# Altium PCB ECU rev B pcb.PcbDoc (part 6 of 6)
Units mil, origin at the board's own origin, x right, y up, seen from the top; angles counter-clockwise.
Board outline 5590.55 x 4937.67 mil, 4 copper layers (Top Layer, GND, Power, Bottom Layer), stack 23.756 mil thick; 577 components, 350 nets, 1799 pads, 680 vias.
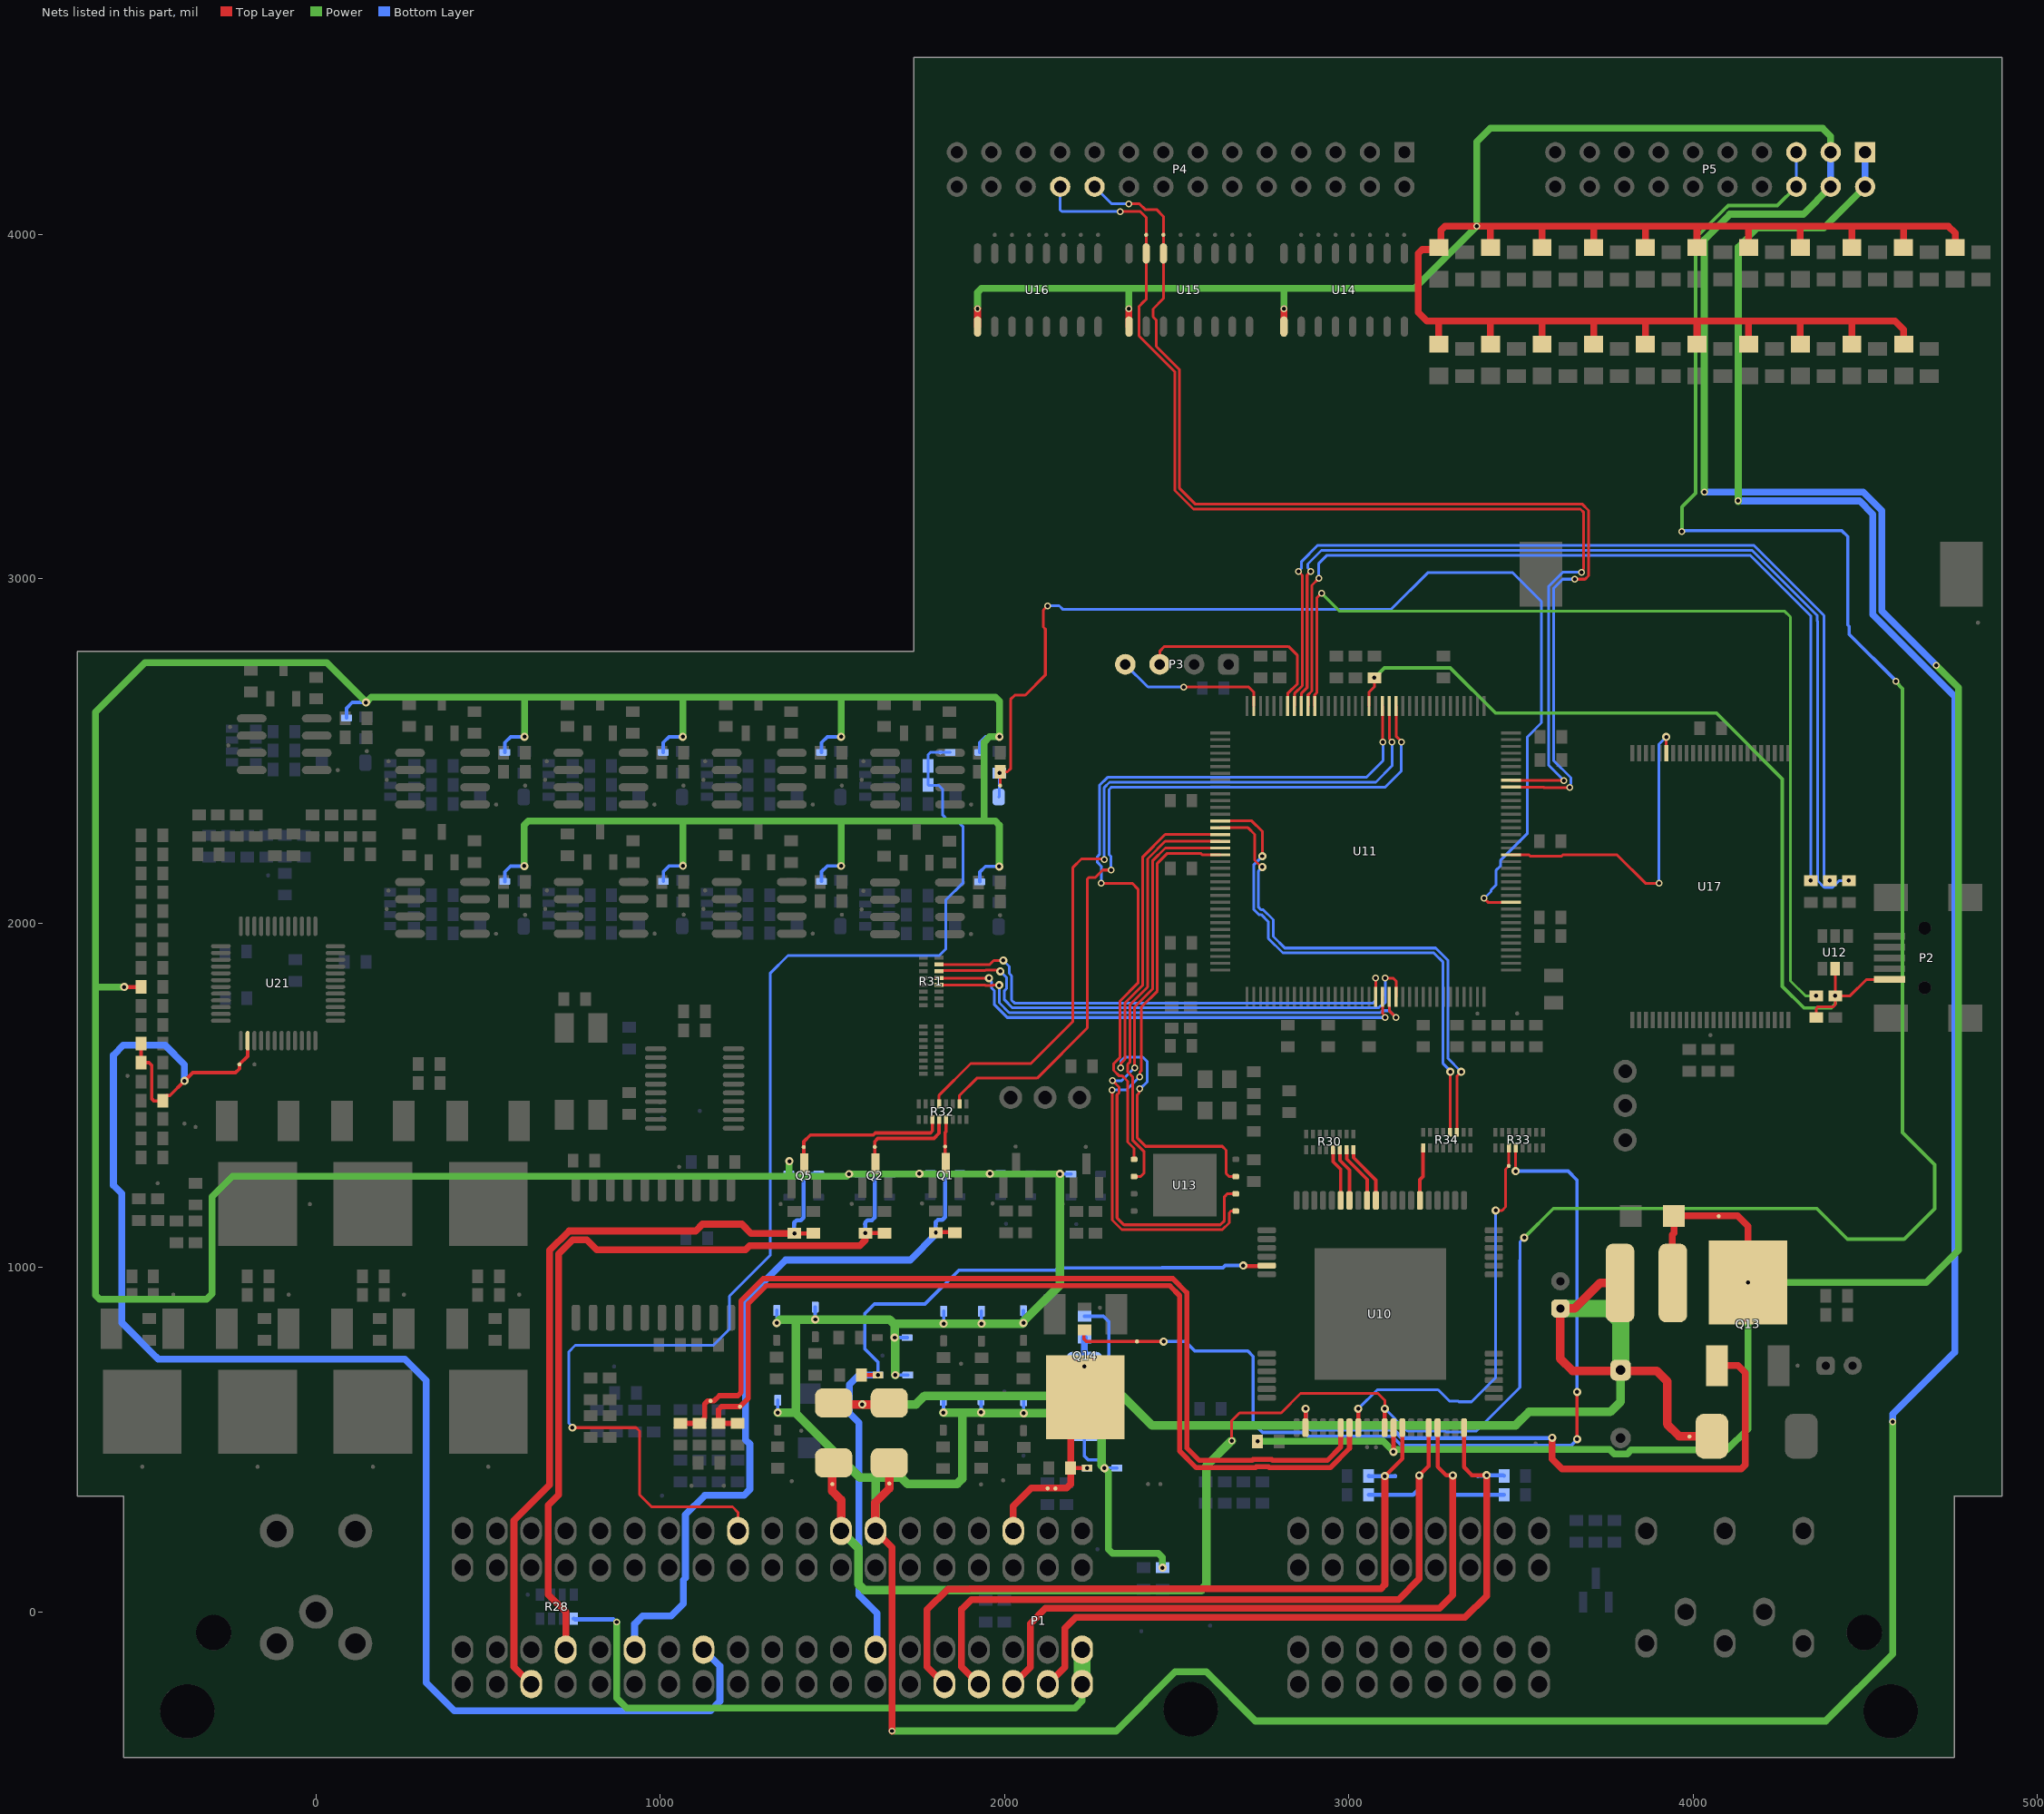
[diagram p8: the nets of this part, all layers, seen from the top]

## Via types
v1: diameter 23.62, hole 11.81, Top Layer to Bottom Layer, tented both sides, 321 vias
v2: diameter 19.68, hole 11.81, Top Layer to Bottom Layer, tented both sides, 296 vias
v3: diameter 23.62, hole 15.75, Top Layer to Bottom Layer, 49 vias
v4: diameter 17.72, hole 11.81, Top Layer to Bottom Layer, tented both sides, 8 vias
v5: diameter 47.24, hole 23.62, Top Layer to Bottom Layer, tented both sides, 2 vias
v6: diameter 236.22, hole 165.35, Top Layer to Bottom Layer, 2 vias
v7: diameter 236.22, hole 165.35, Top Layer to Bottom Layer, tented both sides, 1 vias
v8: diameter 23.62, hole 11.81, Top Layer to Bottom Layer, 1 vias

## Nets (pads, with @x,y where several pads share a name; then routed paths per layer and width w, separated by ;. In a path a pad name is that pad's centre, name@x,y a point inside that pad or via, vN(x,y) a via of type N, cw(c..) or ccw(c..) an arc to the next point about the centre after c; other vN are vias at no path point) (continued)
PE14: P4.20 TP95.0 U11.64 U15.6 | length 3360
  Top Layer w8: v2(2361.83,4089.27) 2392.03,4089.27 2408.43,4072.87 2441.83,4072.87 2461.83,4052.87 TP95.0@2461.83,3999.24 U15.6@2461.83,3945.57 2461.83,3814.27 2431.67,3784.11 2431.67,3761.28 2441,3751.95 2441,3675.44 2508.83,3607.61 2508.83,3262.87 2554.99,3216.71 3679.19,3216.71 3696.83,3199.07 3696.83,3009.27 3686.83,2999.27 v2(3656.83,2999.27) ; U11.64@3471.17,2395.5 3565.77,2395.5 3566.99,2394.27 v2(3641.83,2394.27)
  Bottom Layer w8: P4.20@2261.83,4139.27 2311.83,4089.27 v2(2361.83,4089.27) ; v2@3644.06,2396.5 3644.06,2404.81 3645.3,2406.05 3645.3,2422.49 3594.83,2472.96 3594.83,2972.07 3622.03,2999.27 v2(3656.83,2999.27)
PE15: P4.22 TP97.0 U11.65 U15.7 | length 3415.5
  Top Layer w8: v2(2336.83,4067.11) 2394.39,4067.11 2411.83,4049.67 TP97.0@2411.83,3999.24 2411.83,3812.33 2403.61,3804.11 2391,3791.5 2391,3705.64 2494.83,3601.81 2494.83,3257.07 2549.19,3202.71 3673.39,3202.71 3682.83,3193.27 3682.83,3028.43 3676.83,3022.43 v2(3676.83,3019.27) ; U11.65@3471.17,2415.18 3471.63,2414.72 3625,2414.72 v2(3625.46,2414.27) v2@3621.83,2414.27
  Bottom Layer w8: P4.22@2161.83,4139.27 2161.83,4071.8 2166.51,4067.11 v2(2336.83,4067.11) ; v2(3625.46,2414.27) 3580.83,2458.9 3580.83,2978.27 3621.83,3019.27 v2(3676.83,3019.27)
PF6: R31.7 U11.20 | length 1499.7
  Top Layer w8: R31.7@1810,1880 1956.94,1880 1968.7,1891.75 v1(1996.75,1891.75) ; U11.20@3078.7,1786.49 v2@3078.72,1840.36
  Bottom Layer w8: v1(1996.75,1891.75) 2013.84,1874.67 2013.84,1854.22 2020.73,1847.32 2020.73,1776.45 2028.95,1768.24 3070.87,1768.24 3078.74,1776.11 v2(3078.74,1840.38)
PF7: R31.5 U11.21 | length 1443.5
  Top Layer w8: R31.5@1810,1840.63 v1(1955.2,1840.63) ; U11.21@3098.39,1786.49 3098.39,1737.28 3106.3,1729.37 v2(3106.3,1726.21)
  Bottom Layer w8: v1(1955.2,1840.63) 1955.2,1836.4 1963.11,1828.49 1963.11,1810.99 1970.92,1803.18 1970.92,1763.04 2007.76,1726.21 v2(3106.3,1726.21)
PF8: R31.4 U11.22 | length 1471.9
  Top Layer w8: R31.4@1810,1820.94 1810.25,1820.69 1944.29,1820.69 1946.17,1818.82 1964.24,1818.82 1966.11,1820.69 1984.25,1820.69 v1(1984.92,1820.02) ; U11.22@3118.07,1786.49 3118.07,1745.93 v2(3137.8,1726.21)
  Bottom Layer w8: v1(1984.92,1820.02) 1984.92,1768.84 2013.56,1740.21 2728.35,1740.21 ; 2728.38,1740.24 3092.27,1740.24 3098.08,1746.05 3117.95,1746.05 v2(3137.8,1726.21)
PF9: R31.6 U11.23 | length 1548.3
  Top Layer w8: R31.6@1810,1860.32 1811.91,1862.22 1943.1,1862.22 1944.98,1864.09 1979.93,1864.09 1983.96,1860.06 v1(1988.19,1860.06) ; v2(3106.3,1840.38) 3129.81,1840.38 3137.76,1832.43 U11.23@3137.76,1786.49
  Bottom Layer w8: v1(1988.19,1860.06) 2006.73,1841.52 2006.73,1810.99 2000,1804.26 2000,1777.39 2023.15,1754.24 3086.47,1754.24 3092.28,1760.05 3096.83,1760.05 3106.3,1769.51 v2(3106.3,1840.38)
PG6: R32.2 U11.86 | length 2292.6
  Top Layer w8: R32.2@1869.37,1475.28 1869.37,1499.86 1919.51,1550 2094.8,1550 2241,1696.2 2241,2128.47 2245.69,2133.16 2264.22,2133.16 2285.57,2154.51 v2(2310.49,2154.51) ; U11.86@3137.76,2630.49 3137.8,2630.45 3137.8,2543.2 3152.98,2528.02 v2(3152.98,2526.29)
  Bottom Layer w8: v2(2310.49,2154.51) 2309.84,2155.16 2309.84,2193.22 2304,2199.06 2304,2388.47 2311.02,2395.5 3106.3,2395.5 3153,2442.2 v2(3152.98,2526.29)
PG7: R32.5 U11.87 | length 2299.8
  Top Layer w8: R32.5@1810.32,1475.28 1810.32,1500.52 1900.8,1591 1901.11,1591 1902.11,1592 2075.79,1592 2199,1715.21 2199,2162.16 2223.78,2186.95 2288.06,2186.95 v2(2290,2185) ; U11.87@3118.07,2630.49 3118.07,2536.02 3125.43,2528.67 v2(3125.43,2526.29)
  Bottom Layer w8: v2(2290,2185) 2290,2394.27 2305.22,2409.5 3078.74,2409.5 3126,2456.76 v2@3126,2526.29
PG8: U11.88 U13.1 | length 2255
  Top Layer w8: v2(2281,2116) 2371,2116 2388,2099 2388,1826.2 2336,1774.2 2336,1611 2317,1592 2317,1572.94 2333.55,1556.39 2342.61,1556.39 2358,1541 2358,1364.4 2376.54,1345.86 U13.1@2376.54,1314.04 ; U11.88@3098.39,2630.49 3098.39,2534.65 v2@3099.74,2533.29
  Bottom Layer w8: v2(2281,2116) 2281,2165.94 2270.16,2176.78 2270.16,2193.22 2276,2199.06 2276,2400.07 2299.43,2423.5 3051.18,2423.5 3100,2472.32 v2@3100,2526.29
  other v2: 3099.74,2526.29
PG9: R34.4 U11.122 | length 1515.6
  Top Layer w8: U11.122@2627.17,2297.07 2718.74,2297.09 2748.82,2267 v1(2748.82,2194.72) ; R34.4@3295.28,1393.07 v1(3295.28,1568.73)
  Bottom Layer w8: v1(2748.82,2194.72) 2748.82,2194.07 2724.03,2169.29 2724.03,2040.29 2739.04,2025.27 2745.8,2025.27 2766.78,2004.3 2766.78,1955.83 2808.74,1913.88 3174.19,1913.88 3247.01,1913.88 3274.18,1886.7 3274.18,1813.89 3274.18,1591.92 3295.28,1570.83 v1(3295.28,1568.73)
PG10: R34.3 U11.123 | length 1497.5
  Top Layer w8: U11.123@2627.17,2277.39 2707.61,2277.39 2727.01,2257.99 2727.01,2183.05 2746.83,2163.23 v1(2748.82,2163.23) ; R34.3@3314.53,1392.64 3314.53,1556.48 v1(3326.77,1568.73)
  Bottom Layer w8: v1(2748.82,2163.23) 2748.82,2162.45 2738.03,2151.66 2738.03,2046.09 2744.84,2039.27 2751.6,2039.27 2780.78,2010.09 2780.78,1961.63 2814.53,1927.88 3179.99,1927.88 3252.81,1927.88 3288.18,1892.5 3288.18,1819.69 3288.18,1607.32 v1(3326.77,1568.73)
PG11: U11.124 U13.7 | length 1604.9
  Top Layer w8: v2(2338,1580) 2338.68,1580.68 2338.68,1593.84 2350,1605.16 2350,1768.4 2402,1820.4 2402,2192.8 2466.9,2257.7 U11.124@2627.17,2257.7 ; v2(2393,1519) 2390.76,1516.76 2390.76,1506.76 2386,1502 2386,1376 2410,1352 2633,1352 2644,1341 2644,1273 2652.96,1264.04 U13.7@2671.82,1264.04
  Bottom Layer w8: v2(2338,1580) 2338,1600 2349,1611 2402,1611 2415,1598 2415,1540 2394,1519 v2(2393,1519)
PG12: U11.125 U13.2 | length 1222.1
  Top Layer w8: U13.2@2376.54,1264.04 2395.04,1264.04 2406,1275 2406,1336.2 2386.1,1356.1 2372,1370.2 2372,1554 2358.16,1567.84 2358.16,1590.16 2364,1596 2364,1762.6 2416,1814.6 2416,2186.8 2420,2190.8 2420,2191 2467.02,2238.02 U11.125@2627.17,2238.02
PG13: U11.126 U13.6 | length 1754.6
  Top Layer w8: v2(2314,1543) 2314.06,1543 2332.84,1524.22 2332.84,1507.78 2327,1501.94 2327,1143.89 2346.89,1124 2627,1124 2639,1136 2639,1206 2647.04,1214.04 U13.6@2671.82,1214.04 ; v2(2378,1580.14) 2378,1756.8 2430,1808.8 2430,2181 2467.33,2218.33 U11.126@2626.67,2218.33
  Bottom Layer w8: v2(2314,1543) 2340.86,1543 2358.02,1560.16 v2(2378,1580.14)
PG14: U11.127 U13.5 | length 1723.8
  Top Layer w8: v2(2313,1516) 2313,1138.09 2341.09,1110 2632.8,1110 2653,1130.2 2653,1159.02 2657.98,1164 2673,1164 2672.96,1164.04 U13.5@2671.82,1164.04 ; v2(2393,1554) 2393.76,1554.76 2393.76,1567.84 2398,1572.08 2398,1757 2444,1803 2444,2174 2472.96,2202.96 2570.18,2202.96 2572.53,2200.62 2574.5,2198.65 U11.127@2627.17,2198.65
  Bottom Layer w8: v2(2313,1516) 2355,1516 v2(2393,1554)
"Phase sensor": C71.2 P1.79 R51.1 TP76.0 VD15.2 | length 2359.4
  Top Layer w12: v1(1389.8,1099.51) C71.2@1444.97,1099.51
  Top Layer w20: P1.79@625.59,-209.84 575,-159.25 575,265 678.72,368.72 678.72,1049.82 735.09,1106.19 1103.19,1106.19 1123,1126 1236.72,1126 1263.21,1099.51 v1(1389.8,1099.51)
  Bottom Layer w12: v1(1389.8,1099.51) 1389.21,1100.1 TP76.0@1389.21,1125.47 1389.21,1130.25 1396.24,1137.28 1408.9,1137.28 1416.77,1145.16 1416.77,1259.33 1428.58,1271.14 VD15.2@1460.08,1271.14
PhaseD: Q5.3 R32.11 TP75.0 | length 485.5
  Top Layer w10: Q5.3@1418.44,1300.79 1418.44,1300.97 1416.77,1302.64 TP75.0@1416.77,1349.81 1416.77,1365.63 1436.14,1385 1619.58,1385 1625.58,1391 1784.77,1391 1790.63,1396.86 R32.11@1790.63,1430
"RAM WP": U11.54 U17.19 | length 948.5
  Top Layer w8: U11.54@3471.17,2198.65 3523.85,2198.65 3528.16,2194.33 3617.95,2194.33 3622.27,2198.65 3779.53,2198.65 3862.2,2115.97 v2(3901.57,2115.97) ; U17.19@3922.47,2494.16 v1(3922.47,2540.86)
  Bottom Layer w8: v2(3901.57,2115.97) 3901.57,2519.97 v1(3922.47,2540.86)
RX_CAN: R30.16 U10.43 | length 174.4
  Top Layer w10: R30.16@3013.9,1342.36 3013.9,1319.02 3079.09,1253.82 U10.43@3079.09,1195
RX_Kl: R30.14 U10.46 | length 158.9
  Top Layer w10: R30.14@2974.53,1342.36 2974.53,1311.14 3002.32,1283.35 U10.46@3002.32,1195
"Select sensor": C67.2 P1.57 R43.1 TP64.0 VD11.2 | length 2185.9
  Top Layer w12: v1(1800.59,1101.01) 1801.94,1102.36 1854.4,1102.36 C67.2@1855.76,1101.01
  Bottom Layer w12: v1@1800,1101.6 TP64.0@1800,1126.97 ; TP64.0@1800,1131.75 1807.03,1138.78 1819.68,1138.78 1827.56,1146.65 1827.56,1260.83 1839.37,1272.64 VD11.2@1870.87,1272.64
  Bottom Layer w20: P1.57@925.59,-109.84 925.59,-35.04 948.82,-11.81 1031.5,-11.81 1066.93,23.62 1066.93,92.67 1073.09,98.83 1073.09,281.75 1129.92,338.58 1243.41,338.58 1260.29,355.46 1260.29,487.7 1248.03,499.96 1248.03,904.41 1260.74,917.12 1260.74,917.86 1269.27,926.4 1269.27,926.75 1364.34,1021.82 1725.71,1021.82 v1@1802.32,1098.43
SelectD: Q1.3 R32.13 TP63.0 | length 129.4
  Top Layer w10: Q1.3@1829.23,1302.29 1829.23,1302.46 1827.56,1304.13 TP63.0@1827.56,1351.31 1827.56,1392.56 1830,1395 R32.13@1830,1430
"Speed sensor": C68.2 P1.59 R45.1 TP67.0 VD12.2 | length 2415
  Top Layer w12: v1(1596.3,1099.94) C68.2@1651.46,1099.94
  Top Layer w20: 675,50.23 675,310 704.72,339.72 704.72,1039.06 745.67,1080 787,1080 816,1051 1247.14,1051 1259.67,1063.54 1579.69,1063.54 1595,1078.84 1595,1094.2 1596.3,1095.5 v1(1596.3,1099.94) ; 676.16,48.84 725.59,-0.59 P1.59@725.59,-109.84
  Bottom Layer w12: v1(1596.3,1099.94) 1595.71,1100.54 TP67.0@1595.71,1125.91 1595.71,1130.69 1602.74,1137.72 1615.39,1137.72 1623.27,1145.59 1623.27,1259.76 1635.08,1271.57 VD12.2@1666.57,1271.57
SpeedD: Q2.3 R32.12 TP66.0 | length 302.3
  Top Layer w10: Q2.3@1624.94,1301.23 1624.94,1301.4 1623.27,1303.07 TP66.0@1623.27,1350.25 1623.27,1366.06 1632.2,1375 1795,1375 1810,1390 1810,1429.68 R32.12@1810.32,1430
Starter: C116.2 P1.50 TP52.0 U10.57 VD21.2 VD37.1 | length 2366.8
  Top Layer w12: C116.2@1584.02,687.83 v2(1632.63,687.83) ; v1(2693.51,1005.71) 2694.64,1004.58 U10.57@2760.72,1004.58
  Bottom Layer w10: v2(1632.63,687.83) 1632.63,725.63 1594.49,763.78 1594.49,866.14 1622.05,893.7 1768.71,893.7 1867.39,992.38 2147.91,992.38 2154.19,998.65 2457.35,998.65 2457.99,999.3 2635.11,999.3 2641.52,1005.71 v1(2693.51,1005.71)
  Bottom Layer w20: P1.50@1625.59,-109.84 1625.59,-90.94 1629.92,-86.61 1629.92,-3.94 1576.89,49.09 1576.89,549.06 1549.33,576.61 1549.33,659.57 1577.6,687.83 TP52.0@1588.07,687.83 v2(1632.63,687.83)
"Step phase A": C169.2 P1.67 TP138.0 U10.13 | length 2151.3
  Top Layer w12: v1(3105.17,394.08) 3155.87,444.78 U10.13@3155.87,535
  Top Layer w20: P1.67@1825.59,-209.84 1775.17,-159.42 1775.17,6.05 1835.17,66.05 1897.33,66.05 1898.33,67.05 3093.45,67.05 3105.17,78.76 v1(3105.17,394.08)
  Bottom Layer w12: C169.2@3058.12,394.87 3058.9,394.08 v1(3105.17,394.08) TP138.0@3135,394.08
"Step phase B": C168.2 P1.66 TP139.0 U10.16 | length 2247.7
  Top Layer w12: v1(3205.17,396.05) 3232.64,423.52 U10.16@3232.64,535
  Top Layer w20: P1.66@1925.59,-209.84 1875.17,-159.42 1875.17,7.12 1904.09,36.05 3145.17,36.05 3205.17,96.05 v1(3205.17,396.05)
  Bottom Layer w12: C168.2@3058.12,339.87 3187.21,339.87 3205.17,357.82 v1(3205.17,396.05)
"Step phase C": C167.2 P1.65 TP140.0 U10.17 | length 2171.5
  Top Layer w12: U10.17@3258.23,535 3258.23,421.77 3283.95,396.05 v1(3302.61,396.05)
  Top Layer w20: P1.65@2025.59,-209.84 2075.17,-160.27 2075.17,-33.95 2119.17,10.05 3264.17,10.05 3302.61,48.49 v1(3302.61,396.05)
  Bottom Layer w12: v1@3302.61,392.9 3302.61,346.9 3309.64,339.87 C167.2@3451.31,339.87
"Step phase D": C166.2 P1.64 TP141.0 U10.20 | length 2065.9
  Top Layer w12: U10.20@3335,535 3335,420 3357.87,397.13 v1(3400.65,397.13)
  Top Layer w20: P1.64@2125.59,-209.84 2175.17,-160.27 2175.17,-47.88 2207.09,-15.95 3338.17,-15.95 3400.65,46.53 v1(3400.65,397.13)
  Bottom Layer w12: TP141.0@3375,395 3398.51,395 v1(3400.65,397.13) 3449.04,397.13 C166.2@3451.31,394.87
SWCLK: P3.4 U11.107 | length 447.5
  Top Layer w8: v2(2521.23,2686) 2709.5,2686 2724.41,2671.09 U11.107@2724.37,2630.49
  Bottom Layer w8: P3.4@2350.9,2751.82 2416.72,2686 v2(2521.23,2686)
SWDIO: P3.3 U11.102 | length 614.1
  Top Layer w8: P3.3@2450.9,2751.82 2452,2752.91 2452,2791 2465,2804 2825,2804 2851.22,2777.78 2851.22,2695.54 2822.83,2667.15 U11.102@2822.8,2630.49
Taxo: C121.2 P1.8 Q14.4 R116.1 TP57.0 TP142.0 VD26.2 VD31.0 VD42.1 | length 666.6
  Top Layer w12: C121.2@2191.69,417.4 2239.92,417.4 v2(2240.12,417.6)
  Top Layer w20: P1.8@2025.59,235.04 2025.59,307.08 2077.8,359.3 2125.44,359.3 2180.46,359.3 2192.18,371.01 C121.2@2192.18,416.92 ; C121.2@2192.9,419 2192.9,580.68 Q14.4@2235.23,623.01
  Bottom Layer w20: v1(2232.28,712.99) 2232.28,732.28 2236.22,736.22 2232.28,740.16 R116.1@2232.28,795.28
TaxoOut: R33.12 R117.2 TP143.0 | length 2708.5
  Top Layer w8: v1(3485,1280) R33.12@3485,1347.2
  Top Layer w10: R117.2@2232.28,818.9 2232.28,817.5 2231.02,816.23 2231.02,792.57 2238.31,785.28 TP143.0@2385.05,785.28 v1(2462.72,785.28) ; v1(3663.5,501.53) v1(3663.5,638.84)
  Bottom Layer w10: v1(2462.72,785.28) 2525.71,785.28 2553.27,757.72 2576.92,757.72 2608.37,757.7 2706.81,757.72 2722.56,741.97 2722.56,549.06 2750.12,521.5 2872.17,521.5 2883.98,509.69 3126.27,509.69 3153.42,482.54 3646.25,482.54 v1@3657.65,493.94 ; v1(3485,1280) 3637.28,1280 3663.5,1253.78 v1(3663.5,638.84)
TPS: C10.2 D4.1 R5.2 TP8.0 U11.47 | length 3216.3
  Top Layer w8: TP8.0@1987.64,2399.73 R5.2@1987.64,2439.76 2008.83,2439.76 2017.5,2448.43 2017.5,2649.89 2030.38,2662.77 2060.77,2662.77 2118.84,2720.84 2118.84,2854.61 2113,2860.45 2113,2909.28 v2(2125.72,2922) ; v2@3393.7,2072.66 v2(3393.45,2072.41) 3405.01,2060.85 U11.47@3471.17,2060.85
  Bottom Layer w8: D4.1@1983.39,2366.42 1985.39,2368.43 v1(1985.39,2436.42) ; v2(2125.72,2922) 2158.86,2922 2168.86,2912 3123.55,2912 3229.39,3017.84 3476.55,3017.84 3560,2934.39 3560,2582 3519.53,2541.53 3519.53,2261.25 3441.54,2183.27 3441.54,2167.02 3427.54,2153.02 3427.54,2110.44 3413.54,2096.44 3413.54,2092 3393.95,2072.41 v2(3393.45,2072.41)
"TPS sensor": C8.2 P1.16 R4.1 TP6.0 VD2.2 | length 3809.4
  Top Layer w8: v1(745,535) 930,535 940,525 940,340 975,305 1210,305 1225.59,289.41 P1.16@1225.59,235.04
  Bottom Layer w8: v1(745,535) 745,537.36 735,547.36 735,755.8 753.2,774 1154.2,774 1201,820.8 1201,916.8 1319,1034.8 1319,1854.2 1370.8,1906 1810.8,1906 1829.09,1924.3 1829.09,2066.72 1880,2117.63 1880,2280 1860,2300 1835,2300 1820,2315 1820,2390 1810,2400 R4.1@1780,2400 ; R4.1@1778.39,2401.42 C8.2@1778.39,2456.42 1778.39,2489.41 1785.39,2496.42 TP6.0@1813.74,2496.42 VD2.2@1842.09,2496.42
TX_CAN: R30.15 U10.44 | length 171.9
  Top Layer w10: R30.15@2994.21,1342.36 2994.21,1315.08 3053.5,1255.79 U10.44@3053.5,1195
TX_Kl: R30.13 U10.47 | length 156.4
  Top Layer w10: R30.13@2954.84,1342.36 2954.84,1307.2 2976.73,1285.32 U10.47@2976.73,1195
"USB ID": R37.1 U11.99 | length 2708.2
  Top Layer w8: U11.99@2881.85,2630.49 2881.85,2663.29 2893.22,2674.66 2893.22,2981.63 v2(2913.39,3001.8)
  Bottom Layer w8: v2(2913.39,3001.8) 2913.39,3045.1 2937.01,3068.73 4166.27,3068.73 4342.52,2892.48 v2(4342.52,2123.84)
"USB Vin": R38.2 U11.98 | length 2877.3
  Top Layer w8: U11.98@2901.54,2630.49 2901.54,2663.17 2907.22,2668.86 2907.22,2944.45 v2(2921.26,2958.49)
  Power w8: v2(2921.26,2958.49) 2973.91,2905.84 4267.2,2905.84 4283.46,2889.58 4283.46,1832.51 4327.39,1788.57 4357.64,1788.57 v2(4358.27,1789.2)
USB_N: R35.1 U11.100 | length 2880
  Top Layer w8: U11.100@2862.17,2630.49 2862.17,2666.88 2879.22,2683.94 2879.22,3010.94 v2(2889.76,3021.48)
  Bottom Layer w8: v2(2889.76,3021.48) 2889.76,3023.29 2881.05,3032.01 2881.05,3043.32 2920.45,3082.73 4172.07,3082.73 4361,2893.8 4361,2878 4362.36,2876.64 4362.36,2123.38 4381.74,2104 4405.86,2104 4425.7,2123.84 v2(4452.76,2123.84)
USB_P: R36.1 U11.101 | length 2842.8
  Top Layer w8: U11.101@2842.48,2630.49 2842.48,2667 2865.22,2689.74 2865.22,3010.59 v2@2854.92,3020.89
  Bottom Layer w8: v2(2854.33,3021.48) 2854.33,3023.29 2863.05,3032.01 2863.05,3050.78 2910.27,3098 4176.6,3098 4381,2893.6 4381,2128.53 4384.22,2125.31 4396.17,2125.31 v2(4397.64,2123.84)
Vbatt: P1.12 P5.1 P5.2 R85.2 R110.2 R116.2 TP127.0 VD1.1 VD2.1 VD3.1 VD4.1 VD5.1 VD6.1 VD7.1 VD8.1 VD9.1 VD11.1 VD12.1 VD13.1 VD14.1 VD15.1 VD16.1 VD17.1 VD18.1 VD19.1 VD20.1 VD21.1 VD22.1 VD23.1 VD24.1 VD25.1 VD26.1 VD27.1 VD28.0 VD31.1 | length 25155.7
  Top Layer w12: v1(-557.44,1815) R110.2@-507.99,1815
  Top Layer w20: P1.12@1625.59,235.04 1673.09,187.54 1673.09,-345.91 v2(1673,-346)
  Top Layer w25: P1.12@1624.62,236.01 1624.62,317.54 1665.35,358.27 TP127.0@1665.35,372.46 ; TP127.0@1664.9,372.92 VD28.0@1664.9,432.22
  Power w20: v1(-557.44,1815) -640.28,1815 ; v1(605.17,2166.05) 605.17,2285.1 616.88,2296.82 1065.91,2296.82 ; v1(605.39,2541.42) 606.09,2542.11 606.09,2544.67 606.32,2544.9 606.32,2656.22 ; v1(1065.39,2541.42) 1065.63,2541.65 1065.63,2656.22 ; v1(1065.91,2166.52) 1065.91,2296.82 ; v1(1375,1309) 1374.53,1308.53 1374.53,1265.19 ; v1(1525.39,2166.42) 1525.39,2297.07 ; v1(1525.39,2541.42) 1525.39,2656.22 ; v2(1673,-346) 2324.23,-346 2496.3,-173.94 2586.38,-173.94 2729.44,-317 4386,-317 4581,-122 v2(4581,552) ; v1(1985,2165) 1985,2285.36 1973.28,2297.07 1940.94,2297.07 ; v1@2161.34,1271.57 v1(1548.46,1271.57) 1542.08,1265.19 1374.53,1265.19 ; v1(2290.61,417.6) 2290.61,416.62 2301.83,405.4 2301.83,181.87 2313.54,170.15 2447.43,170.15 2459.14,158.43 v1(2459.14,128.33) ; v2@4131.83,3225 4131.83,3964.27 4186.83,4019.27 4380.41,4019.27 P5.2@4500.41,4139.27 ; -640.28,1815 -640.28,2613.35 -497.41,2756.22 31.57,2756.22 145.88,2641.91 146.37,2641.42 161.18,2656.22 606.32,2656.22 ; -640.28,1815 -640.28,919.9 -628.57,908.19 -317.34,908.19 -301.81,923.72 -301.81,1206.19 -242.81,1265.19 1374.53,1265.19 ; 606.32,2656.22 1065.63,2656.22 ; 1065.63,2656.22 1525.39,2656.22 ; 1065.91,2296.82 1065.91,2297.07 1525.39,2297.07 ; 1525.39,2297.07 1940.94,2297.07 ; 1525.39,2656.22 1973.68,2656.22 1985.39,2644.5 v1(1985.39,2541.42) 1956.94,2541.42 1940.94,2525.42 1940.94,2297.07
  Power w25: v1(1338.58,839.27) 1347.57,848.25 1393.7,848.25 ; v1(1341.36,578.74) 1391.56,578.74 ; P1.12@1625.59,235.04 1625.98,235.43 1625.98,389.76 ; v1(1683.13,687.83) 1683.13,794.53 v1(1681.14,796.52) 1681.14,834.59 ; v1@1822.85,578.73 1877.21,578.73 1877.21,578.25 ; v1(2161.42,1271.65) 2161.42,949.45 2055.2,843.23 v1(2055.2,838.8) 2053.46,837.07 v1(1933.23,837.07) 1932.95,837.34 v1(1823.5,837.34) 1681.14,837.34 1681.14,834.59 ; v1(2290.61,417.6) 2282.44,425.77 2282.44,562.3 2267.79,576.95 v1(2055.67,576.95) 1934.8,576.95 v1(1932.24,579.51) 1930.98,578.25 1877.21,578.25 ; 1391.56,578.74 1393.7,578.74 1393.7,848.25 ; 1391.56,578.74 1580.54,389.76 1625.98,389.76 ; 1393.7,848.25 1449.14,848.25 v1(1450.12,849.23) 1666.49,849.23 1681.14,834.59 ; 1625.98,389.76 1700,389.76 1718,371.76 1862.56,371.76 1877.21,386.41 1877.21,578.25
  Bottom Layer w10: VD8.1@88.7,2596.42 88.7,2624.72 105.39,2641.42 v1(145.39,2641.42) ; VD9.1@548.47,2121.05 548.47,2149.35 565.17,2166.05 v1(605.17,2166.05) ; VD1.1@548.7,2496.42 548.7,2524.72 565.39,2541.42 v1(605.39,2541.42) ; VD7.1@1008.7,2496.42 1008.7,2524.72 1025.39,2541.42 v1(1065.39,2541.42) ; VD3.1@1009.21,2121.52 1009.21,2149.83 1025.91,2166.52 v1(1065.91,2166.52) ; v1(1338.58,839.27) VD22.1@1338.58,875.39 ; v1(1341.36,578.74) VD16.1@1341.36,614.86 ; VD15.1@1373.46,1271.14 1369.53,1271.14 1375,1276.61 v1(1375,1309) ; v1(1450.12,849.23) VD24.1@1450.12,885.35 ; VD6.1@1468.7,2121.42 1468.7,2149.72 1485.39,2166.42 v1(1525.39,2166.42) ; VD5.1@1468.7,2496.42 1468.7,2524.72 1485.39,2541.42 v1(1525.39,2541.42) ; v1(1548.46,1271.57) 1576.02,1271.57 VD12.1@1579.96,1271.57 ; v1(1681.14,796.52) VD17.1@1717.26,796.52 ; v1(1683.13,687.83) VD21.1@1719.25,687.83 ; v1(1752.76,1272.64) 1780.32,1272.64 VD11.1@1784.25,1272.64 ; VD27.1@1822.21,614.6 1822.4,614.6 1822.83,614.17 v1(1822.83,578.74) ; v1(1823.5,837.34) VD25.1@1823.5,873.46 ; VD4.1@1928.31,2120 1928.31,2148.31 1945,2165 v1(1985,2165) ; VD2.1@1928.7,2496.42 1928.7,2524.72 1945.39,2541.42 v1(1985.39,2541.42) ; v1(1932.24,579.51) VD18.1@1932.24,615.63 ; v1(1933.23,837.07) VD20.1@1933.23,873.19 ; v1(1957.52,1272.64) 1985.08,1272.64 VD14.1@1989.02,1272.64 ; v1(2055.2,838.8) VD19.1@2055.2,874.92 ; v1(2055.67,576.95) VD23.1@2055.67,613.07 ; v1(2161.42,1271.65) 2188.98,1271.65 VD13.1@2192.91,1271.65 ; R116.2@2232.28,858.27 2287.4,858.27 2303.15,842.52 2303.15,550.88 2291.27,539 VD31.1@2232.28,539 2232.28,452.36 2243.42,441.22 2283.42,441.22 2290.23,434.41 2290.23,417.97 v1(2290.61,417.6) VD26.1@2326.73,417.6
  Bottom Layer w20: v2(4131,3226.61) 4483.63,3226.61 4523,3187.23 4523,2896.33 4549,2870.33 4761,2658.33 4761,754.46 4581,574.46 v2(4581,552) ; P5.2@4500.41,4139.27 P5.1@4500.41,4239.27
Vcc: C123.2 C126.2 D24.2 D25.2 D26.2 D27.2 D28.2 D29.2 D30.2 D31.2 D32.2 D33.2 D34.2 D35.2 D36.2 D37.2 D38.2 D39.2 D40.2 D41.2 D42.2 D43.2 D44.2 L1.2 P5.3 P5.4 Q13.4 TP129.0 U10.12 U14.9 U15.9 U16.9 | length 14928.4
  Top Layer w12: v1@3130.28,475.28 U10.12@3130.28,535 ; L1.2@3940,950 3941.77,951.77 L1.2@3941.77,955
  Top Layer w20: U16.9@1921.83,3732.97 v2(1921.83,3784.27) ; U15.9@2361.83,3732.97 v2(2361.83,3784.27) ; U14.9@2811.83,3732.97 v2(2811.83,3784.27) ; D44.2@3261.83,3681.79 3261.83,3749.27 ; D42.2@3411.83,3681.79 3411.83,3749.27 ; D25.2@3411.83,3962.5 3411.83,4024.27 ; D40.2@3561.83,3681.79 3561.83,3749.27 ; D26.2@3561.83,3962.5 3561.83,4024.27 ; D38.2@3711.83,3681.79 3711.83,3749.27 ; D27.2@3711.83,3962.5 3711.83,4024.27 ; D36.2@3861.83,3681.79 3861.83,3749.27 ; D28.2@3861.83,3962.5 D28.2@3861.83,3962.5 3861.76,4024.27 ; L1.2@3940,950 3940,1095 3945,1100 C126.2@3945,1150 4130,1150 4159.76,1120.24 v1(4159.76,956.34) ; D34.2@4011.83,3681.79 4011.83,3749.27 ; D29.2@4011.83,3962.5 4011.83,4024.27 ; D32.2@4161.83,3681.79 4161.83,3749.27 ; D30.2@4161.83,3962.5 4161.83,4024.27 ; D43.2@4311.83,3681.79 4311.83,3749.27 ; D31.2@4311.83,3962.5 4311.83,4024.27 ; D41.2@4461.83,3681.79 4461.83,3749.27 ; D33.2@4461.83,3962.5 4461.83,4024.27 ; D39.2@4611.83,3681.79 4611.83,3724.27 4586.83,3749.27 4461.83,3749.27 ; D35.2@4611.83,3962.5 4611.83,4024.27 ; D37.2@4761.83,3962.5 4761.83,4004.27 4741.83,4024.27 4611.83,4024.27 ; 3261.83,3749.27 3226.83,3749.27 3201.83,3774.27 3201.83,3944.98 3213.54,3956.69 3256.61,3956.69 D24.2@3262.41,3962.5 3267.75,3967.84 3267.75,4012.55 3279.47,4024.27 v2(3371.85,4024.27) 3411.83,4024.27 ; 3261.83,3749.27 3411.83,3749.27 ; 3411.83,3749.27 3561.83,3749.27 ; 3411.83,4024.27 3561.83,4024.27 ; 3561.83,3749.27 3711.83,3749.27 ; 3561.83,4024.27 3711.83,4024.27 ; 3711.83,3749.27 3861.83,3749.27 ; 3711.83,4024.27 3861.76,4024.27 ; 3861.76,4024.27 4011.83,4024.27 ; 3861.83,3749.27 4011.83,3749.27 ; 4011.83,3749.27 4161.83,3749.27 ; 4011.83,4024.27 4161.83,4024.27 ; 4161.83,3749.27 4311.83,3749.27 ; 4161.83,4024.27 4311.83,4024.27 ; 4311.83,3749.27 4461.83,3749.27 ; 4311.83,4024.27 4461.83,4024.27 ; 4461.83,4024.27 4611.83,4024.27
  Power w20: v2(1921.83,3784.27) 1921.83,3832.55 1933.54,3844.27 2361.83,3844.27 ; v2(2361.83,3784.27) 2361.83,3844.27 ; v1(2735,495) 3100.96,495 3130,465.96 v1(3130,465) 3130.98,465 3137.48,471.5 3758.45,471.5 3770.95,459 3809.05,459 3820.58,470.53 4098.65,470.53 4159.76,531.64 v1(4159.76,956.34) 4677.34,956.34 4771.83,1050.83 4771.83,2684.27 v2(4706.83,2749.27) ; v2(2811.83,3784.27) 2811.83,3844.27 ; v2(4033,3252.61) 4033,3985.44 4106.83,4059.27 4320.41,4059.27 P5.4@4400.41,4139.27 ; P5.3@4400.41,4239.27 4401.83,4239.27 4400.41,4240.69 4400.41,4285.69 4376.83,4309.27 3411.83,4309.27 3371.85,4269.3 v2(3371.85,4024.27) 3191.83,3844.27 2811.83,3844.27 ; 2361.83,3844.27 2811.83,3844.27
  Bottom Layer w20: v2(4033,3252.61) 4494.39,3252.61 4549,3198 4549,2907.09 v2(4706.83,2749.27) ; P5.4@4400.41,4139.27 P5.3@4400.41,4239.27
VDD_G: Q13.1 U10.2 | length 1828.6
  Top Layer w12: U10.2@2875,535.63 v1(2875,590)
  Top Layer w20: v1(3591.34,505.35) 3591.34,444.06 3620.2,415.2 4139.98,415.2 4151.69,426.91 4151.69,694.72 4131.42,715 Q13.1@4070,715
  Bottom Layer w12: v1(2875,590) 2875,545 2890,530 3130,530 3155,505 v1@3591.34,505
Vin: C124.1 C125.1 L1.1 TP128.0 VD28.1 VD29.1 VD30.1 | length 3804.7
  Top Layer w25: VD29.1@1519.68,602.36 v1(1586.61,602.36) 1661.04,602.36 VD28.1@1665.35,606.67 ; L1.1@3788.23,955 3730,955 3656.26,881.26 C124.1@3615,881.26 3615,735 3650,700 3895,700 3925,670 3925,545 3960,510 VD30.1@4055.08,510
  Power w25: v1@1588.52,602.36 1742.68,602.36 1768.1,627.78 2342.52,627.78 2428.3,542 3485.09,542 3523.62,580.54 3759.84,580.54 3790,610.69 C125.1@3790,701.85
  Power w50: C124.1@3615,881.26 3754.39,881.26 3790,845.65 3790,819.27 C125.1@3790,701.85
Vkey: P1.13 P5.5 P5.6 TP130.0 U10.11 VD29.0 | length 8565.7
  Top Layer w8: v2(2660,497) 2660,555 2683,578 2804,578 2860.27,634.27 3085,634.27 3104.68,614.58 v1@3104.68,589.68
  Top Layer w12: U10.11@3104.68,535 v1@3104.68,589.68
  Top Layer w25: VD29.0@1503.94,432.68 1500,428.74 TP130.0@1500,370.94 1500,350.39 1525.39,325 P1.13@1525.39,235.24
  Power w10: v1(3509.96,1086.83) 3594.73,1171.6 4359.9,1171.6 4448.82,1082.68 4613.68,1082.68 4702,1171 4702,1299 4609,1392 4609,2681.38 4590,2700.38 v2(4590,2703) ; v2(3968,3138) 3968,3209 4008,3249 4008,3990.14 4098.13,4080.27 4098.72,4080.27 4102.72,4084.27 4245.41,4084.27 P5.6@4300.41,4139.27
  Power w25: P1.13@1525.59,235.04 1575.59,185.04 1575.59,80.91 1593,63.5 2572.18,63.5 2586.83,78.14 2586.83,423.83 v2(2660,497)
  Bottom Layer w8: v1(3104.68,590) 3105,590 3170,525 3280.35,525 3282.98,522.37 3335.84,522.37 3338.47,525 3370.71,525 3497.28,651.58 3497.28,1022.28 3498.15,1023.15 3498.15,1075.02 v1(3509.96,1086.83) ; P5.6@4300.41,4139.27 P5.5@4300.41,4239.27
  Bottom Layer w10: v2(3968,3138) 3969.85,3139.85 3976.7,3139.85 3976.85,3140 4433,3140 4450,3123 4450,2866.09 4454,2862.09 4454,2839 v2(4590,2703)
Vmain: P1.44 P1.63 R28.1 | length 1870.7
  Power w20: v2(874.02,-29.7) 874.02,-250.17 902.8,-278.95 2205.17,-278.95 2225.59,-258.53 P1.63@2225.59,-209.84
  Power w50: P1.63@2225.59,-209.84 P1.44@2225.59,-109.84
  Bottom Layer w12: R28.1@748.5,-19.84 749.99,-19.84 751.97,-21.83 864.06,-21.83 871.94,-29.7 v2(874.02,-29.7)
VRS: R33.11 TP149.0 U10.8 | length 1213.8
  Top Layer w8: v1(3427.28,1165.79) 3445.59,1165.79 3455.67,1175.87 3455.67,1285.48 3465,1294.81 R33.11@3465,1346.89
  Top Layer w12: U10.8@3027.91,535 v1(3027.91,590)
  Bottom Layer w8: v1(3027.91,590) 3083.18,645.27 3259.93,645.27 3293.57,611.63 3300.2,611.63 3300.37,611.81 3318.44,611.81 3320.15,610.1 3356.81,610.1 3427.28,680.57 v1(3427.28,1165.79)
VRS_N: C173.2 R118.2 TP146.0 U10.7 | length 2807
  Top Layer w15: C173.2@1224.41,547.24 R118.2@1169.29,547.24 1169.29,587.36 1178.08,596.15 TP146.0@1231.77,596.15 1256.02,620.4 1256.02,895.13 1307.93,947.04 2480.35,947.04 2508.73,918.66 2508.73,467.31 2557.35,418.69 2728.8,418.69 2731.44,421.33 2767.32,421.33 2769.96,418.69 2946.2,418.69 3002.32,474.81 U10.7@3002.32,535
VRS_P: C177.2 R121.2 TP148.0 U10.6 | length 2832.3
  Top Layer w15: C177.2@1059.06,547.24 R121.2@1114.17,547.24 1118.11,547.24 1126.36,555.49 1126.36,561.41 1129.23,564.28 1129.23,603.77 1138.02,612.56 1156.04,612.56 1171.59,628.11 1225.6,628.11 1234.39,636.9 1234.39,903.2 1299.23,968.04 2489.05,968.04 2529.73,927.35 2529.73,476.01 2566.04,439.69 2720.1,439.69 2722.74,442.33 2776.02,442.33 2778.65,439.69 2937.51,439.69 2976.73,478.92 U10.6@2976.73,535
VUSB: C59.1 C163.2 P2.1 R38.1 U11.90 U12.5 | length 2598.8
  Top Layer w8: U11.90@3059.02,2630.49 3059.02,2671.05 3074.8,2686.84 v1(3074.76,2713.17) v1(3074.76,2713.17) ; R38.1@4358.27,1726.21 4358.27,1753.02 4362.95,1757.7 4408.7,1757.7 4413.39,1762.39 v2(4413.39,1789.2) ; U12.5@4413.39,1867.94 v2(4413.39,1789.2) ; P2.1@4570.87,1836.44 4503.94,1836.44 4456.69,1789.2 v2(4413.39,1789.2)
  Power w10: v1(3074.76,2713.17) 3103.55,2741.95 3295.28,2741.95 3426.64,2610.59 4068.3,2610.59 4259.84,2419.05 4259.84,1816.76 4322.83,1753.77 4401.57,1753.77 4413.39,1765.58 v2(4413.39,1789.2)
WDA: R34.9 U10.38 | length 156.1
  Top Layer w10: U10.38@3207.05,1195 3207.05,1254.92 3216.1,1263.98 R34.9@3216.1,1347.36
"WLS in": P1.55 R100.2 R104.2 R105.2 TP125.0 U21.2 | length 4557.9
  Top Layer w10: R105.2@-507.99,1650 R104.2@-507.99,1595 -485.25,1595 -476.98,1586.73 -476.98,1489.45 -471.12,1483.6 -446.4,1483.6 R100.2@-445,1485 -445,1488.94 -434.25,1499.69 -424.33,1499.69 v1(-382,1542.02) -358.07,1565.94 -233.7,1565.94 -222.44,1577.2 TP125.0@-222.44,1589.97 ; TP125.0@-222.1,1590.31 -198.58,1613.83 U21.2@-198.58,1658.66
  Bottom Layer w20: -464.33,740 -458.33,734 257.55,734 320,671.55 320,670.54 320,110 320,-205.83 401.57,-287.4 1145.67,-287.4 1173.23,-259.84 1173.23,-157.48 P1.55@1125.59,-109.84 ; -459.87,735.54 -564.36,840.03 -564.36,1214.79 -588.5,1238.93 -588.5,1617.04 -559.69,1645.84 -438.34,1645.84 -382,1589.51 v1(-382,1542.02)
pads on no net: J1.1 J2.3 P1.0 P1.82 P1.83 P1.84 P1.85 P1.86 P1.87 P1.88 P1.89 P1.90 P1.91 P1.92 P1.93 P1.94 P1.95 P1.96 P1.97 P1.98 P1.99 P1.100 P1.101 P1.102 P1.103 P1.104 P1.105 P1.106 P1.107 P1.108 P1.109 P1.110 P1.111 P1.112 P1.113 P1.114 P1.115 P1.116 P1.117 P1.118 P1.119 P1.120 P1.121 P2.7 R28.3 R29.1 R29.2 R29.3 R29.14 R29.15 R29.16 R31.1 R31.8 R31.9 R31.16 R32.1 R32.7 R32.8 R32.9 R32.10 R32.16 R34.2 R34.15 U11.15 U17.1 U17.2 U17.3 U17.4 U17.5 U17.6 U17.10 U17.11 U17.14 U17.15 U17.20 U17.21 U17.22 U17.23 U17.24 U17.26 U17.27 U17.28 U17.33 U17.35 U17.38 U17.40 U17.45 U17.46 U17.47 U18.2 U18.4 U18.6 U18.15 U18.17 U18.19 U19.5 U19.6 U21.3 U21.11 U21.22 U21.23 U21.24 U21.35 U21.36 U21.45 XT2.3

## Polygon pours and split planes (outlines as drawn)
GND on GND "GND_GND_P003" (solid, pour order 3): 2191.83,2789.27 1751.83,2789.27 1751.83,4499.27 4885.83,4499.27 4885.83,1375.81 1799.21,1375.81 1799.21,1903.37 2191.83,1903.37
GND on GND "GND_GND_P001" (solid, pour order 1): 4748.03,348.25 4885.83,348.25 4885.83,1364 1792.49,1364 1785,1371.5 1785,1906.93 174.02,1906.93 174.02,2379.37 -282.68,2379.37 -282.68,2775 -684.25,2775 -684.25,993.54 670,993.54 670,-400.16 4748.03,-400.16
GND on GND "GND_GND_P002" (solid, pour order 2): -684.25,985.67 662.2,985.67 662.2,-400.16 -547.24,-400.16 -547.24,355.75 -684.25,355.75
GND on GND "GND_GND_P000" (solid, pour order 0): -275,2775 -275,2387.24 185,2387.24 185,1914.8 2176.83,1914.8 2176.83,2775 185,2775
3V3 on Power "POWER_3V3_P007" (solid, pour order 7): 2191.83,2789.27 1751.83,2789.27 1751.83,4499.24 4885.83,4499.35 4885.83,1375.81 1799.21,1375.81 1799.21,1903.37 2191.83,1903.37
Vcc on Power "POWER_VCC_P006" (solid, pour order 6): 2318.9,1367.94 2318.9,-415.53 4748.03,-415.53 4748.03,348.25 4885.83,348.25 4885.83,1364
5V on Power "POWER_5V_P005" (solid, pour order 5): -684,2775 -283,2775 -283,2380 174,2380 174,1907 1785,1907 1785,1367.94 2313,1367.94 2313,-416 -550,-416 -550,356 -684,356
5V on Power "POWER_5V_P004" (solid, pour order 4): -275,2775 -275,2387 185,2387 185,1915 2176.83,1915 2176.83,2773.94

## Silkscreen, mask and mechanical layers (free items; w line width, h text height)
Board:
  the board outline again, w10

## Dimensions
4897.64,4514.27 to -559.06,336.44 on Mechanical 7
4897.64,336.44 to -692.91,2789.27 on Mechanical 7

## Text inside footprints (layer, text, board x,y; h text height)
C124: Top Overlay "-" at 3582.44,940.94 h80 r90; Top Overlay "+" at 3582.44,862.2 h80 r90
C125: Top Overlay "-" at 3825.43,524.69 h60 r270; Top Overlay "+" at 3825.43,721.54 h60 r270
C127: Top Overlay "-" at 4454.68,747.56 h80; Top Overlay "+" at 4375.94,747.56 h80
P1: Top Overlay "1" at -124.02,-190.16 h60; Top Overlay "2" at 100.39,-190.16 h60; Top Overlay "3" at -9.84,69.69 h60; Top Overlay "4" at -131.89,132.68 h60; Top Overlay "5" at 100.39,132.68 h60; Top Overlay "6" at 2297.24,219.29 h60; Top Overlay "25" at 2297.24,112.99 h60; Top Overlay "44" at 2297.24,-127.17 h60; Top Overlay "63" at 2297.24,-225.59 h60; Top Overlay "82" at 2738.19,-225.59 h60; Top Overlay "90" at 2738.19,-127.17 h60; Top Overlay "98" at 2738.19,112.99 h60; Top Overlay "106" at 2714.57,219.29 h60; Top Overlay "114" at 3824.8,-182.28 h60; Top Overlay "116" at 4281.5,-182.28 h60; Top Overlay "117" at 3938.98,69.69 h60; Top Overlay "118" at 4167.32,69.69 h60; Top Overlay "119" at 3824.8,152.36 h60; Top Overlay "121" at 4281.5,152.36 h60; Top Overlay "81" at 293.31,-225.59 h60; Top Overlay "62" at 293.31,-127.17 h60; Top Overlay "43" at 293.31,112.99 h60; Top Overlay "24" at 293.31,219.29 h60; Top Overlay "113" at 3608.27,219.29 h60; Top Overlay "105" at 3616.14,116.93 h60; Top Overlay "97" at 3616.14,-127.17 h60; Top Overlay "89" at 3616.14,-225.59 h60; Bottom Overlay "89" at 3702.76,-229.53 h60; Bottom Overlay "97" at 3702.76,-131.1 h60; Bottom Overlay "105" at 3645,50 h60; Bottom Overlay "113" at 3634.22,289.17 h60; Bottom Overlay "24" at 320.87,215.35 h60; Bottom Overlay "43" at 320.87,109.06 h60; Bottom Overlay "62" at 320.87,-131.1 h60; Bottom Overlay "81" at 320.87,-229.53 h60; Bottom Overlay "121" at 4368.11,148.43 h60; Bottom Overlay "119" at 3911.42,148.43 h60; Bottom Overlay "118" at 4253.94,65.75 h60; Bottom Overlay "117" at 4025.59,65.75 h60; Bottom Overlay "116" at 4368.11,-186.22 h60; Bottom Overlay "114" at 3911.42,-186.22 h60; Bottom Overlay "106" at 2795,280 h60 r270; Bottom Overlay "98" at 2770,105 h60 r270; Bottom Overlay "90" at 2765.75,-131.1 h60; Bottom Overlay "82" at 2765.75,-229.53 h60; Bottom Overlay "63" at 2356.3,-229.53 h60; Bottom Overlay "44" at 2356.3,-131.1 h60; Bottom Overlay "25" at 2356.3,109.06 h60; Bottom Overlay "6" at 2356.3,215.35 h60; Bottom Overlay "5" at 127.95,128.74 h60; Bottom Overlay "4" at -104.33,128.74 h60; Bottom Overlay "3" at 17.72,65.75 h60; Bottom Overlay "2" at 127.95,-194.09 h60; Bottom Overlay "1" at -96.46,-194.09 h60
P3: Bottom Overlay "SWCLK" at 2254.84,2850.24 h47.24 r90; Bottom Overlay "SWDIO" at 2286.73,2850.24 h47.24 r90; Bottom Overlay "GND" at 2318.61,2850.24 h47.24 r90; Bottom Overlay "V+" at 2350.9,2850.24 h47.24 r90
P4: Top Overlay "28" at 1801.83,4159.27 h50 r180; Top Overlay "27" at 1801.83,4259.27 h50 r180; Top Overlay "1" at 3241.83,4259.27 h50 r180; Top Overlay "2" at 3261.83,4159.27 h50 r180
P5: Top Overlay "20" at 3540.41,4159.27 h50 r180; Top Overlay "19" at 3540.41,4259.27 h50 r180; Top Overlay "2" at 4580.41,4159.27 h50 r180; Top Overlay "1" at 4580.41,4259.27 h50 r180